# Altium PCB KB-PCB-R02.PcbDoc (part 5 of 5)
Units mm, origin at the board's own origin, x right, y up, seen from the top; angles counter-clockwise.
Board outline 263.4 x 114.34 mm, 4 copper layers (SIG_TOP, GND, PWR, SIG_BOTTOM), stack 1.118 mm thick; 686 components, 425 nets, 2244 pads, 421 vias.
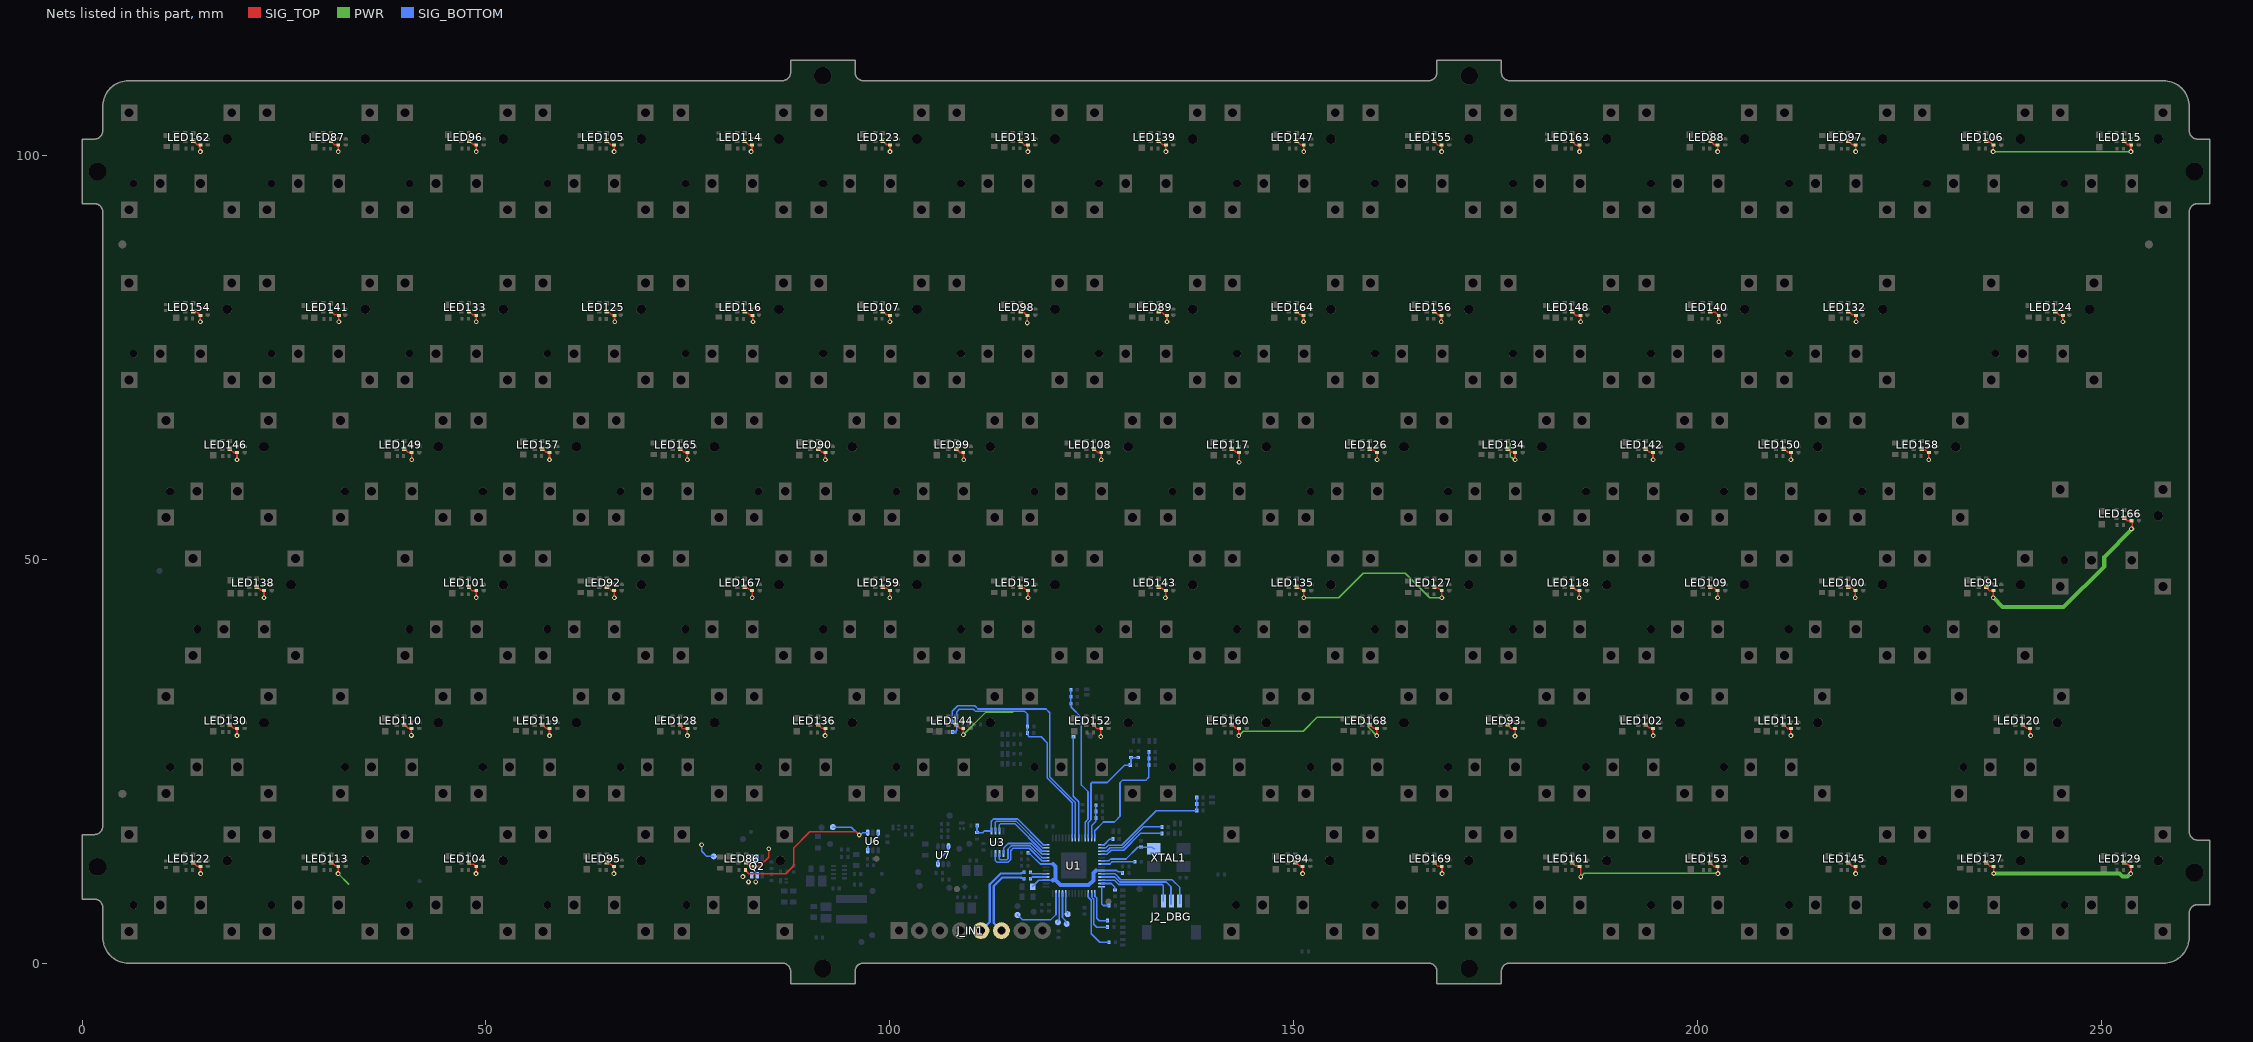
[diagram p7: the nets of this part, all layers, seen from the top]

## Via types
v1: diameter 0.6, hole 0.3, SIG_TOP to SIG_BOTTOM, tented both sides, 412 vias
v2: diameter 0.5, hole 0.3, SIG_TOP to SIG_BOTTOM, 9 vias

## Nets (pads, with @x,y where several pads share a name; then routed paths per layer and width w, separated by ;. In a path a pad name is that pad's centre, name@x,y a point inside that pad or via, vN(x,y) a via of type N, cw(c..) or ccw(c..) an arc to the next point about the centre after c; other vN are vias at no path point) (continued)
NetR152_2: R152.2 U1.8 | length 30.9
  SIG_BOTTOM w0.2: R152.2@107.728,29.879 107.728,31.228 108.4,31.9 110.5,31.9 110.9,31.5 119.325,31.5 119.796,31.029 119.796,23.079 122.967,19.908 U1.8@122.967,15.546
NetR153_2: R153.2 U1.9 | length 12.8
  SIG_BOTTOM w0.2: R153.2@122.708,28.07 122.708,20.691 123.367,20.032 U1.9@123.367,15.546
NetR154_2: R154.2 U1.15 | length 1.7
  SIG_BOTTOM w0.2: U1.15@126.205,14.708 126.542,14.708 127.232,15.398 127.603,15.398 R154.2@127.605,15.4 R154.2@127.603,15.4
NetR155_2: R155.2 U1.17 | length 8.7
  SIG_BOTTOM w0.2: U1.17@126.205,13.908 126.841,13.908 127.265,14.332 128.811,14.332 131.39,16.911 R155.2@133.667,16.911
NetR156_2: R156.2 U1.18 | length 8.5
  SIG_BOTTOM w0.2: U1.18@126.205,13.508 126.865,13.508 127.389,14.032 128.935,14.032 131.004,16.1 R156.2@133.656,16.1
NetR157_2: R157.2 U1.27 | length 2.2
  SIG_BOTTOM w0.2: U1.27@126.205,9.908 127.392,9.908 127.816,9.484 127.816,9.157 R157.2@127.861,9.111
NetR158_2: R158.2 U1.28 | length 3.1
  SIG_BOTTOM w0.2: U1.28@126.205,9.508 126.205,7.395 126.417,7.183 127.042,7.183 R158.2@127.12,7.183
NetR159_2: R159.2 U1.29 | length 4.6
  SIG_BOTTOM w0.2: U1.29@125.367,8.671 125.367,8.333 125.6,8.1 125.6,5.6 125.9,5.3 R159.2@126.932,5.3
NetR160_2: R160.2 U1.30 | length 5.8
  SIG_BOTTOM w0.2: U1.30@124.967,8.671 124.967,8.232 125.235,7.964 125.235,4.865 125.6,4.5 R160.2@126.932,4.5
NetR161_2: R161.2 U1.31 | length 7.8
  SIG_BOTTOM w0.2: U1.31@124.567,8.671 124.567,8.208 124.935,7.839 124.935,3.665 125.968,2.632 R161.2@127.132,2.632
NetTP_IO26_TP: TP_IO26.TP U1.38 | length 2.7
  SIG_BOTTOM w0.2: U1.38@121.767,8.671 121.767,6.482 122,6.249 TP_IO26.TP@122,6.1
NetTP_IO27_TP: TP_IO27.TP U1.39 | length 4
  SIG_BOTTOM w0.2: U1.39@121.367,8.671 121.367,5.679 121.783,5.264 121.783,5.003 TP_IO27.TP@121.888,4.898
NetTP_IO28_TP: TP_IO28.TP U1.40 | length 3.6
  SIG_BOTTOM w0.2: TP_IO28.TP@120.8,5.1 120.8,5.249 120.967,5.416 120.967,8.333 U1.40@120.967,8.671
NetTP_IO29_TP: TP_IO29.TP U1.41 | length 7.9
  SIG_BOTTOM w0.2: TP_IO29.TP@115.8,6 116.367,5.433 119.933,5.433 120.567,6.067 U1.41@120.567,8.671
NetU6_3: U6.3 U6.6 | length 2.7
  SIG_BOTTOM w0.2: U6.3@97.25,14 97.284,14.034 97.284,14.484 98.516,15.716 98.516,16.166 U6.6@98.55,16.2
NetU7_3: U7.3 U7.6 | length 2.8
  SIG_BOTTOM w0.2: U7.3@105.95,12.3 105.929,12.321 105.929,12.7 107.231,14.002 107.231,14.481 U7.6@107.25,14.5
QSPI_SCLK: U1.52 U3.6 | length 8.5
  SIG_BOTTOM w0.2: U3.6@113.55,13.605 113.55,12.975 113.667,12.858 114.505,12.858 114.622,12.975 114.622,14.162 115.016,14.556 117.376,14.556 118.824,13.108 U1.52@119.33,13.108
QSPI_SD0: U1.53 U3.5 | length 6.7
  SIG_BOTTOM w0.2: U3.5@114.05,13.605 114.075,13.63 114.075,14.282 114.649,14.856 117.5,14.856 118.848,13.508 U1.53@119.33,13.508
QSPI_SD1: U1.55 U3.2 | length 8.4
  SIG_BOTTOM w0.2: U3.2@113.05,16.395 113.05,17.467 113.167,17.584 115.661,17.584 118.937,14.308 U1.55@118.992,14.308
QSPI_SD2: U1.54 U3.3 | length 8
  SIG_BOTTOM w0.2: U3.3@113.55,16.395 113.55,17.13 113.703,17.284 115.497,17.284 118.873,13.908 U1.54@119.33,13.908
QSPI_SD3: U1.51 U3.7 | length 9.2
  SIG_BOTTOM w0.2: U3.7@113.05,13.605 113.05,12.75 113.288,12.512 114.583,12.512 114.944,12.873 114.944,13.97 115.227,14.253 117.255,14.253 118.8,12.708 U1.51@119.33,12.708
QSPI_SS: R10.2 R11.2 U1.56 U3.1 | length 12.2
  SIG_BOTTOM w0.2: R11.2@110.815,17.088 110.789,17.062 R10.2@110.789,16.197 111.49,16.197 111.688,16.395 U3.1@112.55,16.395 112.55,17.605 112.829,17.884 115.816,17.884 118.992,14.708 U1.56@119.33,14.708
RGB-DATA: R61.1 TP_RGB_DATA.TP U6.4 | length 22.8
  SIG_TOP w0.2: R61.1@82.114,11.577 82.114,11.527 82.541,11.1 87.1,11.1 88.1,12.1 88.1,14.307 90.093,16.3 95.751,16.3 96.151,15.9 v1(96.2,15.9)
  SIG_BOTTOM w0.2: TP_RGB_DATA.TP@92.945,16.88 95.22,16.88 v1(96.2,15.9) 96.308,15.9 96.608,16.2 U6.4@97.25,16.2
RGB-LED-POWER: C27.1 C28.1 C29.1 C30.1 C31.1 C32.1 C33.1 C34.1 C35.1 C36.1 C37.1 C38.1 C39.1 C40.1 C41.1 C42.1 C43.1 C44.1 C45.1 C46.1 C47.1 C48.1 C49.1 C50.1 C51.1 C54.1 C55.1 C56.1 C57.1 C58.1 C59.1 C60.1 C61.1 C62.1 C63.1 C64.1 C65.1 C66.1 C67.1 C68.1 C69.1 C70.1 C71.1 C72.1 C73.1 C74.1 C75.1 C76.1 C77.1 C78.1 C79.1 C80.1 C81.1 C82.1 C83.1 C84.1 C85.1 C86.1 C87.1 C88.1 C89.1 C90.1 C91.1 C92.1 C93.1 C94.1 C95.1 C96.1 C97.1 C98.1 C99.1 C100.1 C101.1 C102.1 C103.1 C104.1 C105.1 C106.1 C107.1 C108.1 C109.1 LED86.2 LED87.2 LED88.2 LED89.2 LED90.2 LED91.2 LED92.2 LED93.2 LED94.2 LED95.2 LED96.2 LED97.2 LED98.2 LED99.2 LED100.2 LED101.2 LED102.2 LED104.2 LED105.2 LED106.2 LED107.2 LED108.2 LED109.2 LED110.2 LED111.2 LED113.2 LED114.2 LED115.2 LED116.2 LED117.2 LED118.2 LED119.2 LED120.2 LED122.2 LED123.2 LED124.2 LED125.2 LED126.2 LED127.2 LED128.2 LED129.2 LED130.2 LED131.2 LED132.2 LED133.2 LED134.2 LED135.2 LED136.2 LED137.2 LED138.2 LED139.2 LED140.2 LED141.2 LED142.2 LED143.2 LED144.2 LED145.2 LED146.2 LED147.2 LED148.2 LED149.2 LED150.2 LED151.2 LED152.2 LED153.2 LED154.2 LED155.2 LED156.2 LED157.2 LED158.2 LED159.2 LED160.2 LED161.2 LED162.2 LED163.2 LED164.2 LED165.2 LED166.2 LED167.2 LED168.2 LED169.2 Q2.1 Q2.2 Q2.5 Q2.6 TP_RGB_P.TP | length 288.4
  SIG_TOP w0.2: LED122.2@13.753,12.508 14.224,12.037 14.615,12.037 C31.1@14.647,12.005 14.665,11.987 14.665,11.148 v1(14.684,11.13) ; LED154.2@13.753,80.758 13.843,80.668 14.211,80.668 14.507,80.372 14.507,80.322 14.597,80.232 C35.1@14.647,80.232 14.647,79.474 v1@14.6,79.427 ; LED162.2@13.876,101.731 13.876,101.708 13.928,101.656 13.951,101.656 14.247,101.36 14.53,101.36 C36.1@14.585,101.305 ; C36.1@14.61,101.28 14.61,100.537 v1(14.647,100.5) ; LED130.2@18.29,29.582 18.761,29.111 19.152,29.111 C32.1@19.184,29.079 v1(19.184,28.206) ; LED146.2@18.387,63.631 18.761,63.257 19.152,63.257 C34.1@19.184,63.225 v1(19.185,62.35) ; LED138.2@21.637,46.655 22.108,46.184 22.499,46.184 C33.1@22.531,46.152 v1@22.531,45.279 ; LED141.2@30.823,80.758 31.261,80.32 31.712,80.32 C64.1@31.8,80.232 31.801,80.231 v1(31.802,79.427) v1(31.802,79.427) ; LED113.2@30.826,12.508 31.001,12.333 31.125,12.333 31.363,12.095 31.626,12.095 31.748,11.974 31.706,11.932 31.706,11.144 v1(31.692,11.13) ; LED87.2@30.949,101.669 30.986,101.669 30.998,101.656 30.998,101.62 31.294,101.323 31.577,101.323 31.608,101.293 31.639,101.293 31.717,101.215 v1(31.717,100.5) ; LED110.2@39.9,29.582 40.371,29.111 40.762,29.111 C91.1@40.794,29.079 ; LED149.2@39.9,63.728 40.323,63.305 40.71,63.305 40.802,63.213 40.802,62.358 v1(40.81,62.35) ; v1(40.77,28.228) 40.77,29.026 C91.1@40.858,29.115 ; LED96.2@47.776,101.731 47.851,101.656 48.125,101.656 48.194,101.588 48.198,101.588 48.412,101.373 48.658,101.373 C38.1@48.737,101.295 ; LED104.2@47.9,12.508 48.128,12.28 48.49,12.28 48.654,12.116 48.654,12.095 48.761,11.988 48.783,11.988 48.783,11.147 v1(48.765,11.13) ; LED101.2@47.9,46.531 48.271,46.16 48.805,46.16 v1(48.805,45.288) ; LED133.2@47.902,80.758 48.338,80.322 48.71,80.322 C65.1@48.8,80.232 v1(48.8,79.427) ; v1(48.798,100.5) C38.1@48.798,101.305 ; LED157.2@56.876,63.631 56.954,63.553 57.19,63.553 57.466,63.278 57.814,63.278 C67.1@57.867,63.225 ; LED119.2@56.973,29.582 57.444,29.111 57.944,29.111 57.866,29.032 57.866,28.205 v1(57.865,28.204) ; v1(57.869,62.35) 57.869,63.135 C67.1@57.88,63.135 ; LED125.2@64.816,80.716 64.949,80.583 65.275,80.583 65.536,80.322 65.788,80.322 C63.1@65.9,80.21 ; LED105.2@64.968,101.831 65.022,101.777 65.143,101.656 65.451,101.348 65.722,101.348 65.75,101.32 65.75,101.305 C39.1@65.862,101.305 v1@65.862,100.7 ; LED95.2@64.973,12.508 65.123,12.358 65.397,12.358 65.66,12.095 65.777,12.095 C28.1@65.867,12.005 ; LED92.2@65.076,46.631 65.534,46.174 66.031,46.174 66.031,46.125 65.899,45.992 v1(65.899,45.277) ; v1(65.843,11.13) 65.843,11.915 C28.1@65.933,12.005 ; v1@65.907,79.427 C63.1@65.907,80.278 ; LED128.2@73.976,29.431 74.197,29.431 74.221,29.407 74.221,29.196 74.338,29.079 C93.1@74.94,29.079 v1(74.94,28.204) ; LED165.2@74.176,63.631 74.176,63.598 74.221,63.553 74.254,63.553 74.534,63.273 74.928,63.273 C68.1@75.073,63.128 ; v1(74.938,62.35) v1(74.938,62.35) C68.1@74.939,63.224 ; LED116.2@82.035,80.758 82.21,80.583 82.345,80.583 82.548,80.381 82.553,80.381 82.624,80.31 82.922,80.31 C62.1@83,80.232 83.029,80.203 83.029,79.456 v1(83.059,79.427) ; LED114.2@82.035,101.781 82.086,101.781 82.21,101.656 82.21,101.606 82.506,101.309 82.925,101.309 C40.1@82.929,101.305 v1@82.929,100.537 ; LED167.2@82.046,46.655 82.221,46.48 82.409,46.48 82.647,46.242 82.85,46.242 C88.1@82.94,46.152 ; LED86.2@82.195,12.508 82.666,12.037 83.057,12.037 C27.1@83.089,12.005 83.837,12.005 85,13.168 v1(85,14.2) ; v1(82.97,45.277) C88.1@82.97,46.018 ; LED136.2@91.12,29.569 91.133,29.569 91.295,29.407 91.295,29.394 91.591,29.098 91.957,29.098 92,29.055 92,28.218 v1(91.986,28.204) ; LED90.2@91.276,63.631 91.276,63.572 91.295,63.553 91.354,63.553 91.62,63.287 91.989,63.287 C69.1@92.079,63.197 ; v1(92.014,62.35) C69.1@92.014,63.225 ; LED159.2@99.076,46.531 99.122,46.486 99.578,46.486 99.821,46.242 100.001,46.242 100.091,46.152 100.001,46.062 100.001,45.29 v1(99.989,45.277) ; LED107.2@99.119,80.758 99.595,80.282 99.95,80.282 C61.1@100,80.232 v1(100.001,79.427) ; LED123.2@99.119,101.831 99.602,101.348 99.873,101.348 99.911,101.311 99.911,101.305 C41.1@100.013,101.305 v1(100.013,100.5) ; LED144.2@108.193,29.582 108.664,29.111 109.055,29.111 C95.1@109.087,29.079 109.091,29.075 109.091,28.318 v1(109.095,28.314) ; LED99.2@108.193,63.728 108.664,63.257 109.055,63.257 C70.1@109.087,63.225 ; C70.1@109.111,63.294 109.111,62.374 v1(109.134,62.35) ; LED98.2@116.185,80.758 116.338,80.605 116.577,80.605 116.928,80.254 117.002,80.254 117.001,80.253 117.001,79.295 v1(117.002,79.294) ; LED151.2@116.193,46.655 116.353,46.495 116.607,46.495 116.86,46.242 116.997,46.242 C87.1@117.087,46.152 ; LED131.2@116.193,101.774 116.242,101.774 116.36,101.656 116.36,101.607 116.656,101.31 116.939,101.31 116.978,101.271 117.023,101.271 117.079,101.215 v1(117.079,100.5) ; v1(117.108,45.277) 117.098,45.287 117.098,46.102 C87.1@117.108,46.113 ; LED152.2@125.179,29.489 125.359,29.489 125.441,29.407 125.441,29.227 125.589,29.079 C96.1@126.16,29.079 ; LED108.2@125.266,63.728 125.737,63.257 126.128,63.257 C72.1@126.16,63.225 ; v1@126.11,28.1 C96.1@126.11,28.927 ; C72.1@126.165,63.27 126.165,62.355 v1(126.17,62.35) ; LED143.2@133.266,46.655 133.441,46.48 133.657,46.48 133.895,46.242 134.07,46.242 C85.1@134.16,46.152 ; LED139.2@133.268,101.831 133.751,101.348 134.119,101.348 C43.1@134.162,101.305 v1(134.162,100.5) ; LED89.2@133.276,80.631 133.309,80.598 133.682,80.598 133.959,80.322 134.21,80.322 C59.1@134.3,80.232 v1(134.3,79.427) ; v1(134.11,45.277) 134.135,45.302 C85.1@134.135,46.09 ; LED160.2@142.339,29.582 142.81,29.111 143.201,29.111 C97.1@143.233,29.079 143.207,29.053 143.207,28.23 v1(143.181,28.204) ; LED117.2@142.609,63.521 142.842,63.288 143.167,63.288 143.25,63.205 v1@143.25,62.05 ; LED94.2@150.195,12.508 150.37,12.333 150.454,12.333 150.709,12.079 151.015,12.079 C109.1@151.089,12.005 ; LED135.2@150.339,46.655 150.514,46.48 150.698,46.48 150.936,46.242 151.143,46.242 C84.1@151.233,46.152 ; LED164.2@150.34,80.758 150.515,80.583 150.806,80.292 151.14,80.292 C58.1@151.2,80.232 v1(151.2,79.427) ; LED147.2@150.34,101.831 150.823,101.348 151.191,101.348 C44.1@151.234,101.305 ; v1(151.088,11.13) C109.1@151.089,11.998 ; v1@151.233,45.277 C84.1@151.233,46.105 ; v1(151.234,100.5) C44.1@151.234,101.215 ; LED168.2@159.413,29.567 159.428,29.567 159.588,29.407 159.588,29.392 159.875,29.105 C98.1@160.387,29.105 ; LED126.2@159.413,63.728 159.544,63.597 159.856,63.597 160.139,63.315 160.217,63.315 C74.1@160.307,63.225 v1(160.308,62.351) ; v1(160.271,28.204) 160.271,28.989 C98.1@160.387,29.105 ; C98.1@160.4,29.105 C98.1@160.387,29.105 ; LED155.2@167.376,101.731 167.802,101.305 C45.1@168.294,101.305 v1(168.294,100.5) ; LED156.2@167.4,80.758 167.886,80.272 168.239,80.272 168.279,80.232 v1@168.279,79.427 ; LED127.2@167.413,46.655 167.564,46.504 167.835,46.504 168.097,46.242 168.217,46.242 C83.1@168.307,46.152 ; LED169.2@167.418,12.431 167.836,12.013 C108.1@168.351,12.013 ; C108.1@168.293,11.976 168.336,11.934 168.336,11.154 v1(168.36,11.13) ; v1(168.33,45.277) 168.319,45.289 168.319,46.083 C83.1@168.387,46.152 ; LED93.2@176.486,29.582 176.661,29.407 176.661,29.344 176.926,29.079 C99.1@177.38,29.079 ; LED134.2@176.486,63.728 176.941,63.274 177.349,63.274 177.39,63.232 C71.1@177.385,63.227 ; v1(177.38,28.151) 177.419,28.19 C99.1@177.419,29.093 ; v1@177.38,62.36 C71.1@177.38,63.225 ; LED148.2@184.476,80.631 184.902,80.205 185.5,80.205 v1(185.5,79.427) ; LED163.2@184.476,101.731 184.568,101.731 184.643,101.656 184.643,101.564 184.903,101.305 185.348,101.305 185.357,101.296 v1@185.357,100.691 ; LED118.2@184.486,46.655 184.957,46.184 185.348,46.184 C82.1@185.38,46.152 ; LED161.2@184.576,12.431 184.666,12.341 184.666,12.256 184.832,12.091 C107.1@185.504,12.091 ; v1(185.33,45.277) 185.355,45.302 C82.1@185.355,46.062 ; v1(185.51,10.726) C107.1@185.51,12.014 ; LED102.2@193.559,29.582 193.972,29.169 194.363,29.169 C100.1@194.453,29.079 ; LED142.2@193.662,63.631 194.019,63.274 194.431,63.274 C75.1@194.5,63.205 ; C100.1@194.369,29.088 194.468,28.989 194.468,28.219 v1(194.482,28.204) ; v1(194.469,62.35) 194.464,62.355 194.464,63.168 C75.1@194.469,63.173 ; LED109.2@201.559,46.655 201.685,46.529 202.007,46.529 202.294,46.242 202.331,46.242 202.455,46.117 202.455,45.279 v1(202.458,45.277) ; LED140.2@201.568,80.758 201.726,80.6 202.182,80.6 202.46,80.322 202.516,80.322 C55.1@202.567,80.272 ; LED88.2@201.568,101.831 202.051,101.348 202.419,101.348 C47.1@202.462,101.305 v1(202.462,100.5) ; LED153.2@201.576,12.431 201.576,12.42 201.74,12.256 201.751,12.256 202.002,12.005 C106.1@202.459,12.005 ; v1(202.487,11.13) 202.473,11.144 202.473,12.013 C106.1@202.538,12.078 ; v1(202.6,79.427) C55.1@202.6,80.232 ; LED150.2@210.638,63.728 210.813,63.553 210.861,63.553 211.134,63.281 211.476,63.281 C76.1@211.532,63.225 ; LED111.2@210.676,29.531 211.115,29.092 211.473,29.092 211.526,29.039 v1@211.526,28.205 ; v1@211.559,62.35 C76.1@211.559,63.264 ; LED100.2@218.633,46.655 218.75,46.539 219.09,46.539 219.477,46.152 C80.1@219.527,46.152 219.509,46.134 219.509,45.295 v1(219.491,45.277) ; LED145.2@218.638,12.508 219.109,12.037 219.5,12.037 C105.1@219.532,12.005 ; LED132.2@218.651,80.758 219.109,80.301 219.531,80.301 C54.1@219.6,80.232 v1(219.6,79.427) ; LED97.2@218.651,101.831 219.134,101.348 C48.1@219.461,101.348 ; C80.1@219.527,46.247 C80.1@219.634,46.247 ; v1(219.532,11.13) C105.1@219.532,11.969 ; v1(219.545,100.5) C48.1@219.545,101.305 ; LED158.2@227.711,63.728 227.847,63.593 228.149,63.593 228.427,63.315 228.508,63.315 C77.1@228.601,63.222 ; v1(228.598,62.35) 228.602,62.353 C77.1@228.602,63.222 ; LED106.2@235.61,101.731 235.638,101.703 236.157,101.703 C49.1@236.555,101.305 ; LED91.2@235.662,46.61 235.711,46.61 235.886,46.435 235.886,46.386 236.12,46.152 C79.1@236.605,46.152 ; LED137.2@235.711,12.508 236.178,12.041 236.569,12.041 C104.1@236.605,12.005 ; v1(236.565,100.5) 236.585,100.52 C49.1@236.585,101.285 ; v1(236.584,45.277) 236.595,45.287 236.595,46.125 C79.1@236.622,46.152 ; v1(236.638,11.14) C104.1@236.638,11.958 ; LED120.2@240.284,29.531 240.299,29.531 240.423,29.407 240.423,29.393 240.711,29.105 241.2,29.105 241.175,29.08 241.175,28.237 v1(241.208,28.204) ; LED124.2@244.376,80.631 244.775,80.232 C51.1@245.2,80.232 v1(245.2,79.427) ; LED115.2@252.768,101.831 252.943,101.656 252.943,101.595 253.161,101.377 253.528,101.377 C50.1@253.642,101.263 ; LED129.2@252.784,12.508 252.959,12.333 253.169,12.333 253.407,12.095 253.588,12.095 C103.1@253.678,12.005 ; LED166.2@252.784,55.192 253.171,54.805 C78.1@253.678,54.805 253.8,54.805 253.8,53.819 v1@253.805,53.814 ; v1(253.592,11.13) 253.635,11.173 253.635,11.915 C103.1@253.738,12.018 ; v1(253.623,100.5) C50.1@253.623,101.266 ; C68.1@74.939,63.224 C68.1@74.94,63.225
  PWR w0.2: v1(31.692,11.13) 33,9.822 33,9.8 ; v1(109.095,28.314) 111.908,31.128 115.172,31.128 ; v1@126.04,28.143 v1(126.096,28.086) ; v1(143.181,28.204) 143.729,28.753 151.153,28.753 152.9,30.5 158.155,30.5 159.175,29.48 159.175,29.3 v1(160.271,28.204) ; v1(151.234,45.277) 155.577,45.277 158.6,48.3 163.8,48.3 166.823,45.277 v1(168.33,45.277) ; 176.8,64.4 176.8,62.739 176.941,62.598 177.044,62.598 177.292,62.35 v1(177.39,62.35) ; v1(185.51,10.726) 185.942,11.157 202.46,11.157 v1(202.487,11.13) ; v1(236.565,100.5) v1(253.623,100.5)
  PWR w0.5: v1(236.584,45.277) 237.734,44.127 245.301,44.127 250.319,49.145 250.319,50.328 v1@253.805,53.814 ; v1(236.638,11.14) 252.195,11.14 252.554,10.781 253.216,10.781 253.565,11.13 v1(253.592,11.13)
  SIG_BOTTOM w0.2: v1(76.7,14.7) 76.7,13.9 77.348,13.252 TP_RGB_P.TP@78.2,13.252
  other v1: 82.5,10.1 83.4,10.1 81.801,10.748 211.525,28.204 22.529,45.277 253.678,53.814 143.233,62.05 211.532,62.35 14.647,79.427 65.936,79.427 168.259,79.427 65.862,100.5 82.815,100.5 185.362,100.5
RUN: J2_DBG.4 U1.26 | length 9.8
  SIG_BOTTOM w0.2: U1.26@126.205,10.308 127.792,10.308 128.32,9.78 133.73,9.78 133.848,9.663 J2_DBG.4@133.848,7.735
S-ROW_0: C114.1 R8.2 R162.1 U1.12 | length 14.5
  SIG_BOTTOM w0.2: U1.12@124.567,15.546 124.567,17.453 124.9,17.786 124.9,22.283 125.017,22.4 126.9,22.4 129.032,24.532 129.665,24.532 129.755,24.622 129.755,24.632 129.85,24.727 R162.1@129.85,25.487 R8.2@130.75,25.487
S-ROW_1: C112.1 R6.2 R163.1 U1.16 | length 15.3
  SIG_BOTTOM w0.2: U1.16@126.205,14.308 126.736,14.308 127.059,14.632 128.687,14.632 132.955,18.9 137.966,18.9 R6.2@137.987,18.92 ; R6.2@137.979,18.92 C112.1@137.979,19.75 ; C112.1@137.981,19.75 R163.1@137.981,20.55
S-ROW_2: C113.1 R7.2 R164.1 U1.11 | length 19.4
  SIG_BOTTOM w0.2: R164.1@122.405,33.888 C113.1@122.405,32.15 122.436,32.119 122.436,31.727 123.708,30.454 123.708,22.092 124.523,21.277 124.523,17.837 124.167,17.481 124.167,16.083 U1.11@124.167,15.546
S-ROW_3: C111.1 R5.2 R165.1 U1.14 | length 15.9
  SIG_BOTTOM w0.2: U1.14@125.367,15.546 125.367,16.447 126.437,17.517 127.794,17.517 128.488,18.211 128.488,18.377 128.484,18.381 128.484,22.384 128.8,22.7 131.7,22.7 132.055,23.055 C111.1@132.055,24.582 R5.2@132.055,25.382 R165.1@132.055,26.182
S-ROW_4: C110.1 R4.1 R166.1 U1.13 | length 4.3
  SIG_BOTTOM w0.2: U1.13@124.967,15.546 124.967,17.045 125.5,17.577 125.5,17.995 R4.1@125.505,18 125.492,18.013 125.492,18.8 125.492,19.588 R166.1@125.48,19.6
S-ROW_5: C19.1 R3.2 R167.1 U1.7 | length 30.3
  SIG_BOTTOM w0.2: R167.1@107.728,28.66 108.1,28.66 108.3,28.86 108.3,31.176 108.593,31.469 110.331,31.469 110.6,31.2 116.7,31.2 117.029,30.871 117.029,29.543 C19.1@117.027,29.541 ; C19.1@117.026,29.319 117.024,29.317 117.024,28.492 117.022,28.49 117.112,28.4 117.112,28.188 117.229,28.071 118.722,28.071 119.496,27.296 119.496,22.955 122.567,19.884 U1.7@122.567,15.546
SWCLK: J2_DBG.2 U1.24 | length 12.4
  SIG_BOTTOM w0.2: U1.24@126.205,11.108 127.867,11.108 128.595,10.38 134.92,10.38 135.9,9.4 J2_DBG.2@135.9,7.41
SWDIO: J2_DBG.3 U1.25 | length 11.3
  SIG_BOTTOM w0.2: U1.25@126.205,10.708 127.843,10.708 128.47,10.08 134.22,10.08 134.8,9.5 J2_DBG.3@134.8,7.329
USB_D_N: J_IN1.6 R1.1 | length 10.2
  SIG_BOTTOM w0.286: J_IN1.6@113.81,4.07 112.863,5.017 112.863,9.588 113.915,10.641 116.221,10.641 116.28,10.582 116.564,10.582 116.611,10.535 R1.1@116.611,10.485
USB_D_P: J_IN1.5 R2.1 | length 11.2
  SIG_BOTTOM w0.286: J_IN1.5@111.27,4.07 111.489,4.07 111.489,4.25 112.373,5.135 112.373,9.791 113.712,11.13 116.219,11.13 116.283,11.194 116.56,11.194 116.607,11.241 R2.1@116.607,11.291
USB_MCU_D_N: R1.2 U1.46 | length 2.1
  SIG_BOTTOM w0.2: R1.2@117.401,10.485 117.401,10.535 117.491,10.625 117.541,10.625 117.624,10.708 118.568,10.708 U1.46@119.33,10.708
USB_MCU_D_P: R2.2 U1.47 | length 2
  SIG_BOTTOM w0.2: R2.2@117.397,11.291 117.397,11.241 117.487,11.151 117.537,11.151 117.58,11.108 118.402,11.108 U1.47@119.33,11.108
VREG_VOUT: C1.1 C2.1 C3.1 U1.23 U1.45 U1.50 | length 19
  SIG_BOTTOM w0.2: C1.1@117.095,13.7 117.095,13.65 117.185,13.56 117.345,13.56 118.597,12.308 U1.50@119.33,12.308 120.192,12.308 ; C2.1@117.689,9.477 117.689,9.562 118.435,10.308 U1.45@119.33,10.308 ; U1.45@119.33,10.308 120.192,10.308 120.2,10.3 ; 125.508,11.508 U1.23@126.205,11.508 ; U1.23@126.205,11.508 128.092,11.508 128.26,11.34 128.715,11.34 128.805,11.25 C3.1@128.805,11.2
  SIG_BOTTOM w0.5: 120.192,12.308 120.492,12.008 120.492,10.308 ; 120.2,10.3 120.208,10.308 120.492,10.308 ; 125.508,11.508 125.2,11.2 125.2,10.3 124.6,9.7 121.1,9.7 120.492,10.308
XIN: C16.1 U1.20 XTAL1.3 | length 7.4
  SIG_BOTTOM w0.2: U1.20@126.205,12.708 127.1,12.708 127.319,12.927 129.227,12.927 130.677,14.377 131.072,14.377 C16.1@131.1,14.405 132.445,14.405 XTAL1.3@132.65,14.2 XTAL1.3@132.8,14.2
XOUT: R9.1 U1.21 | length 4.2
  SIG_BOTTOM w0.2: U1.21@126.205,12.308 127.241,12.308 127.534,12.601 R9.1@130.326,12.601
pads on no net: FD1.FD FD2.FD FD3.FD FD4.FD FD5.FD FD6.FD J2_DBG.MT SW1.FIX SW1.MT SW2.FIX SW2.MT SW3.FIX SW3.MT SW4.FIX SW4.MT SW5.FIX SW5.MT SW6.FIX SW6.MT SW7.FIX SW7.MT SW8.FIX SW8.MT SW9.FIX SW9.MT SW10.FIX SW10.MT SW11.FIX SW11.MT SW12.FIX SW12.MT SW13.FIX SW13.MT SW14.FIX SW14.MT SW15.FIX SW15.MT SW16.FIX SW16.MT SW17.FIX SW17.MT SW18.FIX SW18.MT SW19.FIX SW19.MT SW20.FIX SW20.MT SW21.FIX SW21.MT SW22.FIX SW22.MT SW23.FIX SW23.MT SW24.FIX SW24.MT SW25.FIX SW25.MT SW26.FIX SW26.MT SW27.FIX SW27.MT SW28.FIX SW28.MT SW29.FIX SW29.MT SW30.FIX SW30.MT SW31.FIX SW31.MT SW32.FIX SW32.MT SW33.FIX SW33.MT SW34.FIX SW34.MT SW35.FIX SW35.MT SW36.FIX SW36.MT SW37.FIX SW37.MT SW38.FIX SW38.MT SW39.FIX SW39.MT SW40.FIX SW40.MT SW41.FIX SW41.MT SW42.FIX SW42.MT SW43.FIX SW43.MT SW44.FIX SW44.MT SW45.FIX SW45.MT SW46.FIX SW46.MT SW47.FIX SW47.MT SW48.FIX SW48.MT SW49.FIX SW49.MT SW50.FIX SW50.MT SW51.FIX SW51.MT SW52.FIX SW52.MT SW53.FIX SW53.MT SW54.FIX SW54.MT SW55.FIX SW55.MT SW56.FIX SW56.MT SW57.FIX SW57.MT SW58.FIX SW58.MT SW59.FIX SW59.MT SW60.FIX SW60.MT SW61.FIX SW61.MT SW62.FIX SW62.MT SW63.FIX SW63.MT SW64.FIX SW64.MT SW65.FIX SW65.MT SW66.FIX SW66.MT SW67.FIX SW67.MT SW68.FIX SW68.MT SW69.FIX SW69.MT SW70.FIX SW70.MT SW71.FIX SW71.MT SW72.FIX SW72.MT SW73.FIX SW73.MT SW74.FIX SW74.MT SW75.FIX SW75.MT SW76.FIX SW76.MT SW77.FIX SW77.MT SW78.FIX SW78.MT SW79.FIX SW79.MT SW80.FIX SW80.MT SW81.FIX SW81.MT U3.9

## Polygon pours and split planes (outlines as drawn)
GND on PWR "GND_L03_P037" (solid, pour order 37): 257.625,108.601 5.041,108.539 4,107 4,1.5 5.329,0.5 257.9,0.5 259.994,2.5 259.994,106.582
RGB-LED-POWER on PWR "RGB-LED-POWER_L03_P036" (solid, pour order 36): 249.528,102.4 252.2,99.728 252.2,9.241 235.528,9.241 235.528,12.672 233.9,14.3 230.8,14.3 229.4,12.9 220.303,3.803 208.515,3.803 207.995,4.323 207.995,25.802 212.3,30.107 212.3,39.9 220.7,48.36 220.7,49.919 227.831,63.175 230.175,63.175 244,77 244,80.5 241.3,83.2 234,83.2 212.4,61.6 204.649,53.849 204.649,39.749 200.1,35.2 200.1,10 199.225,9.125 184.545,9.125 182.8,10.87 182.8,15.6 174.1,24.3 174.1,37.8 187.6,51.3 187.6,75.9 182.245,81.255 178.396,81.255 178.396,75.615 178.396,63.5 178.396,52.196 173.5,47.3 162.9,47.3 161.639,46.039 161.639,40.268 161.639,29.6 154.4,29.6 154.4,22.969 159.831,22.969 169.9,12.9 169.9,4.173 168.113,2.386 153.1,2.386 153.1,7.817 133.863,27.054 114.577,27.054 114.577,32.243 114.577,39.504 114.577,49.477 125.25,60.15 125.25,65.55 127.6,67.9 131.65,71.95 131.65,85.577 119.1,85.577 119.1,71.7 105.543,58.143 105.543,45.143 102.1,41.7 102.1,30.7 92.8,21.4 89.7,18.3 84.196,12.796 84.196,11.692 84.21,5.894 30.306,5.894 29.177,7.023 29.177,11.875 35.38,11.875 46.105,22.6 51.327,22.6 63.71,34.984 63.71,47.31 71.5,55.1 71.5,58.9 73.7,61 73.7,62.1 73.7,73.373 78.127,77.8 82,77.8 82,81.4 80.7,82.7 69.1,82.7 68.3,81.9 68.3,70.7 59.7,62.1 59.7,54.929 50.3,45.529 50.3,35.5 37.4,22.6 26.8,22.6 21.757,17.557 21.757,5.342 11.858,5.342 12.017,5.342 12.017,6.817 12.017,102.4
12V0 on PWR "12V0_L03_P007" (solid, pour order 7): 127.774,91.973 135.675,91.973 136.26,92.558 136.26,93.254 135.663,93.851 127.812,93.851 127.309,93.348 127.309,92.364
12V0 on PWR "12V0_L03_P005" (solid, pour order 5): 127.365,83.966 135.266,83.966 135.851,84.551 135.851,85.246 135.254,85.843 127.403,85.843 126.9,85.34 126.9,84.356
GND on PWR "GND_L03_P035" (solid, pour order 35): 118.5,45.959 118.5,39.6 124.224,39.6 125.1,40.476 125.1,45.27 124.438,45.932
3V3 on SIG_BOTTOM "3V3_L04_P044" (solid, pour order 44): 116.909,13.14 116.905,13.136 116.905,11.884 117.098,11.691 118.114,11.691 118.39,11.415 119.351,11.415 119.351,12.003 119.347,12.007 118.414,12.007 117.881,12.54 117.281,13.14
5V0 on SIG_BOTTOM "5V0_L04_P026" (solid, pour order 26): 104.479,3.035 100.564,3.035 99.941,3.658 99.941,7.341 101.7,9.1 106.7,9.1 107.262,8.538 108.153,8.538 108.834,9.219 109.055,8.998 109.055,8.81 108.685,8.44 108.685,8.051 108.776,8.051 109.25,7.577 109.25,5.929 108.776,5.455 105.459,5.455 104.908,4.903 104.908,3.618
3V3 on SIG_BOTTOM "3V3_L04_P039" (solid, pour order 39): 111.838,14.257 109.635,14.26 107.922,12.547 107.922,9.81 107.999,9.733 108.809,9.733 109.089,10.179 109.192,10.825 109.447,10.825 109.988,10.825 109.988,10.887 109.988,12.209 110.105,12.326 110.105,13.319 110.66,13.871 111.838,13.871
GND on SIG_BOTTOM "GND_L04_P027" (solid, pour order 27): 105.642,5.2 105.1,4.658 105.1,3.52 105.673,2.947 105.684,2.958 109.431,2.958 110.006,3.533 110.006,5.073 111.76,6.827 111.76,13.3 110.471,13.3 110.406,13.235 110.406,10.622 110.026,10.195 109.583,10.191 109.428,10.189 109.428,10.029 108.916,9.517 109.259,9.173 109.586,9.5 109.865,9.5 110.299,9.065 110.299,7.795 110.143,7.638 109.612,7.638 109.527,7.554 109.527,5.657 109.077,5.207
GND on SIG_BOTTOM "GND_L04_P030" (solid, pour order 30): 100.924,16.737 101.29,16.737 101.315,16.712 101.31,16.288 101.342,16.234 102.142,16.234 102.171,16.205 102.171,12.171 101.6,11.6 98.83,11.6 98.554,11.875 97.853,11.875 97.805,11.924 97.805,12.401 97.849,12.445 98.519,12.445 99.02,12.946 99.02,14.469 98.883,14.606 98.356,14.606 98.129,14.38 98.129,13.741 97.99,13.602 97.805,13.602 97.672,13.735 97.672,14.451 98.421,15.2 99.945,15.2 99.998,15.139 99.998,13.087 100.206,12.879 101.086,12.877 101.218,13.062 101.218,15.838 100.896,16.316 100.896,16.709
12V0 on SIG_BOTTOM "12V0_L04_P021" (solid, pour order 21): 93.301,10.927 93.295,10.922 92.699,10.922 92.534,10.757 92.534,9.557 92.245,9.268 91.311,9.268 91.065,9.514 91.065,12.992 91.082,12.992 91.681,13.591 92.347,13.591 92.7,13.238 92.7,12.542 92.453,12.295 92.467,12.282 92.467,11.338 92.631,11.174 93.285,11.174
NetC22_1 on SIG_BOTTOM "NETC22_1_L04_P020" (solid, pour order 20): 93.3,7.475 97.175,7.475 97.39,7.69 97.39,8.608 97.388,8.608 97.034,8.962 94.265,8.962 93.996,9.23 93.996,10.271 93.806,10.461 93.49,10.461 93.427,10.398 93.427,8.818 93.3,8.67
5V0 on SIG_BOTTOM "5V0_L04_P029" (solid, pour order 29): 97.1,6.2 97.297,6.003 97.323,6.003 97.323,4.223 96.8,3.7 91.615,3.7 90.392,4.879 88.729,4.879 88.729,8.594 84.107,8.594 83.995,8.753 83.99,11.3 84.44,11.303 84.44,10.563 84.535,10.448 85.582,10.448 85.582,9.795 85.662,9.694 88.797,9.694 89.8,8.691 89.8,6.356 89.942,6.2
RGB-LED-POWER on SIG_BOTTOM "RGB-LED-POWER_L04_P048" (solid, pour order 48): 83.79,13.525 82.218,13.525 81.386,12.694 81.386,10.214 81.9,9.7 83.607,9.7 83.79,9.882
GND on SIG_BOTTOM "GND_L04_P045" (solid, pour order 45): 116.492,13.94 116.495,13.937 116.495,11.877 115.323,11.877 115.254,11.946 115.254,13.783 115.408,13.937
GND on SIG_BOTTOM "GND_L04_P023" (solid, pour order 23): 90.662,9.331 89.586,9.331 88.621,10.296 88.621,12.621 89.622,13.622 90.575,13.622 90.752,13.446 90.752,9.496
GND on SIG_BOTTOM "GND_L04_P049" (solid, pour order 49): 86.5,7.94 88.441,7.94 88.441,6.578 88.295,6.432 86.632,6.432 86.5,6.565
3V3 on SIG_BOTTOM "3V3_L04_P047" (solid, pour order 47): 119.636,10.008 119.632,10.004 118.679,10.004 118.317,9.642 118.317,8.831 118.147,8.661 117.38,8.661 117.379,8.662 117.379,7.521 117.808,7.092 119.973,7.092 120.267,7.387 120.267,8.998 120.214,8.998 119.754,9.459 119.762,9.467 119.762,9.938
GND on SIG_BOTTOM "GND_L04_P046" (solid, pour order 46): 116.657,9.875 116.657,7.863 115.25,7.863 115,8.114 115,9.578 115.302,9.88
NetLED57_1 on SIG_BOTTOM "NETLED57_1_L04_P031" (solid, pour order 31): 108.203,17.398 108.46,17.142 109.179,17.142 110.222,18.185 110.222,19.2 108.934,19.2 108.203,18.469
GND on SIG_BOTTOM "GND_L04_P022" (solid, pour order 22): 92.7,12.383 92.858,12.541 92.858,13.561 92.989,13.692 93.064,13.692 94.187,13.692 94.315,13.564 94.315,12.809 94.156,12.65 93.642,12.65 93.311,12.319 93.311,11.929 92.7,11.929
GND on SIG_BOTTOM "GND_L04_P018" (solid, pour order 18): 90.305,6.5 90.174,6.631 90.172,8.8 92.857,8.8 92.864,6.634 92.73,6.5
3V3 on SIG_TOP "3V3_L01_P034" (solid, pour order 34): 107.95,12.538 107.923,12.511 107.923,10.902 108.208,10.618 110.075,8.751 117.994,8.751 118.827,6.905 125.495,6.905 128.571,9.98 128.571,18.294 127.853,19.011 120.335,19.011 116.424,15.1 110.6,15.1 109.3,13.8
5V0 on SIG_TOP "5V0_L01_P016" (solid, pour order 16): 104.5,2.706 91.094,2.706 88.503,5.297 88.503,8.4 89.7,8.4 92.6,11.3 97.7,11.3 100.9,14.5 106.2,14.5 106.842,13.858 106.842,6.96 104.8,4.919 104.8,2.986 104.52,2.706
12V0 on SIG_TOP "12V0_L01_P038" (solid, pour order 38): 129.933,93.233 128.833,92.056 128.833,85.843 127.707,85.449 127.7,84.8 128.2,84.3 134.687,84.3 135.144,84.757 135.144,92.056 133.967,93.233
NetLED57_1 on SIG_TOP "NETLED57_1_L01_P033" (solid, pour order 33): 110.088,17.76 110.472,18.144 110.472,19.462 108.612,19.462 108.608,19.458 108.604,19.462 107.866,19.462 107.866,18.005 108.11,17.76
GND on GND "GND_L02_P006" (solid, pour order 6): 257.7,108.6 5.4,108.5 4.844,107.978 4.844,1.083 5.4,0.5 257.7,0.5 258.564,1.364 258.6,107.8

## Silkscreen, mask and mechanical layers (free items; w line width, h text height)
Top Overlay:
  text "KC_DELETE" at 247.817,92.81 h0.75
  text "KC_F7" at 128.288,92.753 h0.75
  text "KC_F10" at 179.538,92.735 h0.75
  text "KC_F1" at 25.84,92.722 h0.75
  text "KC_F2" at 42.849,92.722 h0.75
  text "KC_F12" at 213.77,92.728 h0.75
  text "KC_INSERT" at 230.827,92.722 h0.75
  text "KC_F3" at 59.953,92.677 h0.75
  text "KC_F4" at 76.976,92.677 h0.75
  text "KC_F8" at 145.53,92.68 h0.75
  text "KC_F11" at 196.627,92.662 h0.75
  text "KC_F5" at 94.023,92.623 h0.75
  text "KC_ESCAPE" at 8.811,92.603 h0.75
  text "KC_F9" at 162.563,92.58 h0.75
  text "KC_F6" at 111.425,92.578 h0.75
  text "KC_0" at 179.596,71.851 h0.75
  text "KC_BACKSLASH" at 238.727,71.777 h0.75
  text "KC_EQUAL" at 196.675,71.758 h0.75
  text "KC_GRAVE" at 8.942,71.716 h0.75
  text "KC_4" at 77.215,71.707 h0.75
  text "KC_GRAVE" at 213.823,71.714 h0.75
  text "KC_3" at 60.059,71.698 h0.75
  text "KC_9" at 162.56,71.698 h0.75
  text "KC_2" at 43.015,71.649 h0.75
  text "KC_7" at 128.348,71.649 h0.75
  text "KC_6" at 111.286,71.604 h0.75
  text "KC_1" at 25.716,71.576 h0.75
  text "KC_5" at 94.283,71.591 h0.75
  text "KC_8" at 145.439,71.596 h0.75
  text "KC_TAB" at 13.45,54.775 h0.75
  text "KC_W" at 52.081,54.768 h0.75
  text "KC_U" at 137.428,54.769 h0.75
  text "KC_RIGHT_BRCKT" at 221.137,54.711 h0.75
  text "KC_Q" at 35.093,54.659 h0.75
  text "KC_Z" at 120.401,54.665 h0.75
  text "KC_I" at 154.585,54.658 h0.75
  text "KC_P" at 188.731,54.683 h0.75
  text "KC_E" at 69.242,54.575 h0.75
  text "KC_T" at 103.216,54.58 h0.75
  text "KC_O" at 171.629,54.575 h0.75
  text "KC_R" at 86.201,54.53 h0.75
  text "KC_LEFT_BRCKT" at 204.326,54.53 h0.75
  text "KC_ENTER" at 248.072,46.039 h0.75
  text "KC_G" at 111.25,37.775 h0.75
  text "KC_D" at 77.174,37.732 h0.75
  text "KC_F" at 94.164,37.729 h0.75
  text "KC_H" at 128.05,37.675 h0.75
  text "KC_S" at 59.972,37.621 h0.75
  text "KC_CAPS_LOCK" at 15.674,37.608 h0.75
  text "KC_L" at 179.603,37.521 h0.75
  text "KC_A" at 42.932,37.502 h0.75
  text "KC_J" at 145.284,37.502 h0.75
  text "KC_QUOTE" at 213.506,37.502 h0.75
  text "KC_K" at 162.563,37.472 h0.75
  text "KC_SEMICOLON" at 196.126,37.457 h0.75
  text "KC_NONUS_HASH" at 229.597,37.457 h0.75
  text "KC_BACKSLASH" at 34.15,20.675 h0.75
  text "KC_COMMA" at 171.636,20.557 h0.75
  text "KC_DOT" at 188.583,20.514 h0.75
  text "KC_N" at 137.03,20.471 h0.75
  text "KC_X" at 69.453,20.429 h0.75
  text "KC_C" at 86.448,20.429 h0.75
  text "KC_V" at 102.942,20.429 h0.75
  text "KC_B" at 119.867,20.429 h0.75
  text "KC_M" at 154.241,20.429 h0.75
  text "KC_LEFT_SHIFT" at 11.978,20.384 h0.75
  text "KC_Y" at 52.113,20.385 h0.75
  text "KC_SLASH" at 205.327,20.343 h0.75
  text "KC_RIGHT_SHIFT" at 233.745,20.365 h0.75
  text "OV Tech GmbH" at 128.7,4.316 h1.4
  text "KC_SPACE" at 79.117,3.845 h0.75
  text "KC_RIGHT_CTRL" at 161.442,3.565 h0.75
  text "KC_RIGHT_ALT" at 179.09,3.565 h0.75
  text "KC_UP" at 213.65,3.575 h0.75
  text "KC_RIGHT" at 247.45,3.575 h0.75
  text "KC_LEFT" at 196.555,3.534 h0.75
  text "KC_LEFT_CTRL" at 8.264,3.521 h0.75
  text "MO(layer)" at 25.767,3.437 h0.75
  text "KC_SPACE" at 143.964,3.403 h0.75
  text "KC_NO" at 41.981,3.355 h0.75
  text "KC_LEFT_ALT" at 58.85,3.356 h0.75
  text "KC_DOWN" at 230.863,3.355 h0.75
  text "KB-PCB-R02" at 128.7,3.213 h1.2
M1: Board outline:
  drawing of 167 lines, arcs and shapes, not listed
M2: Keyboard mechanical layout:
  drawing of 20896 lines, arcs and shapes, not listed
M3: Selective soldering:
  drawing of 444 lines, arcs and shapes, not listed

## Text inside footprints (layer, text, board x,y; h text height)
SW1: Top 3D Body "LED Cavity" at 10.387,101.741 h1; Top 3D Body "H=1.1mm" at 10.387,100.803 h1
SW2: Top 3D Body "H=1.1mm" at 27.46,100.803 h1; Top 3D Body "LED Cavity" at 27.46,101.741 h1
SW3: Top 3D Body "LED Cavity" at 44.534,101.741 h1; Top 3D Body "H=1.1mm" at 44.534,100.803 h1
SW4: Top 3D Body "H=1.1mm" at 61.606,100.803 h1; Top 3D Body "LED Cavity" at 61.606,101.741 h1
SW5: Top 3D Body "H=1.1mm" at 78.68,100.803 h1; Top 3D Body "LED Cavity" at 78.68,101.741 h1
SW6: Top 3D Body "LED Cavity" at 95.754,101.741 h1; Top 3D Body "H=1.1mm" at 95.754,100.803 h1
SW7: Top 3D Body "H=1.1mm" at 112.827,100.803 h1; Top 3D Body "LED Cavity" at 112.827,101.741 h1
SW8: Top 3D Body "LED Cavity" at 129.9,101.741 h1; Top 3D Body "H=1.1mm" at 129.9,100.803 h1
SW9: Top 3D Body "H=1.1mm" at 146.973,100.803 h1; Top 3D Body "LED Cavity" at 146.973,101.741 h1
SW10: Top 3D Body "LED Cavity" at 164.047,101.741 h1; Top 3D Body "H=1.1mm" at 164.047,100.803 h1
SW11: Top 3D Body "H=1.1mm" at 181.12,100.803 h1; Top 3D Body "LED Cavity" at 181.12,101.741 h1
SW12: Top 3D Body "LED Cavity" at 198.215,101.741 h1; Top 3D Body "H=1.1mm" at 198.215,100.803 h1
SW13: Top 3D Body "H=1.1mm" at 215.288,100.803 h1; Top 3D Body "LED Cavity" at 215.288,101.741 h1
SW14: Top 3D Body "LED Cavity" at 232.345,101.741 h1; Top 3D Body "H=1.1mm" at 232.345,100.803 h1
SW15: Top 3D Body "H=1.1mm" at 249.418,100.803 h1; Top 3D Body "LED Cavity" at 249.418,101.741 h1
SW16: Top 3D Body "LED Cavity" at 10.387,80.668 h1; Top 3D Body "H=1.1mm" at 10.387,79.73 h1
SW17: Top 3D Body "H=1.1mm" at 27.46,79.73 h1; Top 3D Body "LED Cavity" at 27.46,80.668 h1
SW18: Top 3D Body "LED Cavity" at 44.534,80.668 h1; Top 3D Body "H=1.1mm" at 44.534,79.73 h1
SW19: Top 3D Body "H=1.1mm" at 61.606,79.73 h1; Top 3D Body "LED Cavity" at 61.606,80.668 h1
SW20: Top 3D Body "LED Cavity" at 78.68,80.668 h1; Top 3D Body "H=1.1mm" at 78.68,79.73 h1
SW21: Top 3D Body "H=1.1mm" at 95.754,79.73 h1; Top 3D Body "LED Cavity" at 95.754,80.668 h1
SW22: Top 3D Body "LED Cavity" at 112.827,80.668 h1; Top 3D Body "H=1.1mm" at 112.827,79.73 h1
SW23: Top 3D Body "H=1.1mm" at 129.9,79.73 h1; Top 3D Body "LED Cavity" at 129.9,80.668 h1
SW24: Top 3D Body "LED Cavity" at 146.973,80.668 h1; Top 3D Body "H=1.1mm" at 146.973,79.73 h1
SW25: Top 3D Body "H=1.1mm" at 164.047,79.73 h1; Top 3D Body "LED Cavity" at 164.047,80.668 h1
SW26: Top 3D Body "LED Cavity" at 181.12,80.668 h1; Top 3D Body "H=1.1mm" at 181.12,79.73 h1
SW27: Top 3D Body "H=1.1mm" at 198.215,79.73 h1; Top 3D Body "LED Cavity" at 198.215,80.668 h1
SW28: Top 3D Body "LED Cavity" at 215.288,80.668 h1; Top 3D Body "H=1.1mm" at 215.288,79.73 h1
SW29: Top 3D Body "H=1.1mm" at 240.882,79.73 h1; Top 3D Body "LED Cavity" at 240.882,80.668 h1
SW30: Top 3D Body "LED Cavity" at 14.924,63.638 h1; Top 3D Body "H=1.1mm" at 14.924,62.7 h1
SW31: Top 3D Body "H=1.1mm" at 36.534,62.7 h1; Top 3D Body "LED Cavity" at 36.534,63.638 h1
SW32: Top 3D Body "LED Cavity" at 53.607,63.638 h1; Top 3D Body "H=1.1mm" at 53.607,62.7 h1
SW33: Top 3D Body "H=1.1mm" at 70.68,62.7 h1; Top 3D Body "LED Cavity" at 70.68,63.638 h1
SW34: Top 3D Body "LED Cavity" at 87.754,63.638 h1; Top 3D Body "H=1.1mm" at 87.754,62.7 h1
SW35: Top 3D Body "H=1.1mm" at 104.827,62.7 h1; Top 3D Body "LED Cavity" at 104.827,63.638 h1
SW36: Top 3D Body "LED Cavity" at 121.9,63.638 h1; Top 3D Body "H=1.1mm" at 121.9,62.7 h1
SW37: Top 3D Body "H=1.1mm" at 138.973,62.7 h1; Top 3D Body "LED Cavity" at 138.973,63.638 h1
SW38: Top 3D Body "LED Cavity" at 156.047,63.638 h1; Top 3D Body "H=1.1mm" at 156.047,62.7 h1
SW39: Top 3D Body "H=1.1mm" at 173.12,62.7 h1; Top 3D Body "LED Cavity" at 173.12,63.638 h1
SW40: Top 3D Body "LED Cavity" at 190.199,63.638 h1; Top 3D Body "H=1.1mm" at 190.199,62.7 h1
SW41: Top 3D Body "H=1.1mm" at 207.272,62.7 h1; Top 3D Body "LED Cavity" at 207.272,63.638 h1
SW42: Top 3D Body "LED Cavity" at 224.345,63.638 h1; Top 3D Body "H=1.1mm" at 224.345,62.7 h1
SW43: Top 3D Body "H=1.1mm" at 249.418,54.164 h1; Top 3D Body "LED Cavity" at 249.418,55.102 h1
SW44: Top 3D Body "LED Cavity" at 18.271,46.565 h1; Top 3D Body "H=1.1mm" at 18.271,45.627 h1
SW45: Top 3D Body "H=1.1mm" at 44.534,45.627 h1; Top 3D Body "LED Cavity" at 44.534,46.565 h1
SW46: Top 3D Body "LED Cavity" at 61.607,46.565 h1; Top 3D Body "H=1.1mm" at 61.607,45.627 h1
SW47: Top 3D Body "H=1.1mm" at 78.68,45.627 h1; Top 3D Body "LED Cavity" at 78.68,46.565 h1
SW48: Top 3D Body "LED Cavity" at 95.754,46.565 h1; Top 3D Body "H=1.1mm" at 95.754,45.627 h1
SW49: Top 3D Body "H=1.1mm" at 112.827,45.627 h1; Top 3D Body "LED Cavity" at 112.827,46.565 h1
SW50: Top 3D Body "LED Cavity" at 129.9,46.565 h1; Top 3D Body "H=1.1mm" at 129.9,45.627 h1
SW51: Top 3D Body "H=1.1mm" at 146.973,45.627 h1; Top 3D Body "LED Cavity" at 146.973,46.565 h1
SW52: Top 3D Body "LED Cavity" at 164.047,46.565 h1; Top 3D Body "H=1.1mm" at 164.047,45.627 h1
SW53: Top 3D Body "H=1.1mm" at 181.12,45.627 h1; Top 3D Body "LED Cavity" at 181.12,46.565 h1
SW54: Top 3D Body "LED Cavity" at 198.193,46.565 h1; Top 3D Body "H=1.1mm" at 198.193,45.627 h1
SW55: Top 3D Body "H=1.1mm" at 215.267,45.627 h1; Top 3D Body "LED Cavity" at 215.267,46.565 h1
SW56: Top 3D Body "LED Cavity" at 232.345,46.565 h1; Top 3D Body "H=1.1mm" at 232.345,45.627 h1
SW57: Top 3D Body "H=1.1mm" at 14.924,28.554 h1; Top 3D Body "LED Cavity" at 14.924,29.492 h1
SW58: Top 3D Body "LED Cavity" at 36.534,29.492 h1; Top 3D Body "H=1.1mm" at 36.534,28.554 h1
SW59: Top 3D Body "H=1.1mm" at 53.607,28.554 h1; Top 3D Body "LED Cavity" at 53.607,29.492 h1
SW60: Top 3D Body "LED Cavity" at 70.68,29.492 h1; Top 3D Body "H=1.1mm" at 70.68,28.554 h1
SW61: Top 3D Body "H=1.1mm" at 87.754,28.554 h1; Top 3D Body "LED Cavity" at 87.754,29.492 h1
SW62: Top 3D Body "LED Cavity" at 104.827,29.492 h1; Top 3D Body "H=1.1mm" at 104.827,28.554 h1
SW63: Top 3D Body "H=1.1mm" at 121.9,28.554 h1; Top 3D Body "LED Cavity" at 121.9,29.492 h1
SW64: Top 3D Body "LED Cavity" at 138.973,29.492 h1; Top 3D Body "H=1.1mm" at 138.973,28.554 h1
SW65: Top 3D Body "H=1.1mm" at 156.047,28.554 h1; Top 3D Body "LED Cavity" at 156.047,29.492 h1
SW66: Top 3D Body "LED Cavity" at 173.12,29.492 h1; Top 3D Body "H=1.1mm" at 173.12,28.554 h1
SW67: Top 3D Body "H=1.1mm" at 190.193,28.554 h1; Top 3D Body "LED Cavity" at 190.193,29.492 h1
SW68: Top 3D Body "LED Cavity" at 207.267,29.492 h1; Top 3D Body "H=1.1mm" at 207.267,28.554 h1
SW69: Top 3D Body "H=1.1mm" at 236.882,28.554 h1; Top 3D Body "LED Cavity" at 236.882,29.492 h1
SW70: Top 3D Body "LED Cavity" at 10.387,12.418 h1; Top 3D Body "H=1.1mm" at 10.387,11.48 h1
SW71: Top 3D Body "H=1.1mm" at 27.46,11.48 h1; Top 3D Body "LED Cavity" at 27.46,12.418 h1
SW72: Top 3D Body "LED Cavity" at 44.534,12.418 h1; Top 3D Body "H=1.1mm" at 44.534,11.48 h1
SW73: Top 3D Body "H=1.1mm" at 61.607,11.48 h1; Top 3D Body "LED Cavity" at 61.607,12.418 h1
SW74: Top 3D Body "LED Cavity" at 146.829,12.418 h1; Top 3D Body "H=1.1mm" at 146.829,11.48 h1
SW75: Top 3D Body "H=1.1mm" at 78.829,11.48 h1; Top 3D Body "LED Cavity" at 78.829,12.418 h1
SW76: Top 3D Body "H=1.1mm" at 164.052,11.48 h1; Top 3D Body "LED Cavity" at 164.052,12.418 h1
SW77: Top 3D Body "LED Cavity" at 181.125,12.418 h1; Top 3D Body "H=1.1mm" at 181.125,11.48 h1
SW78: Top 3D Body "H=1.1mm" at 198.199,11.48 h1; Top 3D Body "LED Cavity" at 198.199,12.418 h1
SW79: Top 3D Body "LED Cavity" at 215.272,12.418 h1; Top 3D Body "H=1.1mm" at 215.272,11.48 h1
SW80: Top 3D Body "H=1.1mm" at 232.345,11.48 h1; Top 3D Body "LED Cavity" at 232.345,12.418 h1
SW81: Top 3D Body "LED Cavity" at 249.418,12.418 h1; Top 3D Body "H=1.1mm" at 249.418,11.48 h1